# Altium PCB LimeSDR-QPCIe_1v2.PcbDoc (part 3 of 21)
Units mm, origin at the board's own origin, x right, y up, seen from the top; angles counter-clockwise.
Board outline 190 x 111.15 mm, 14 copper layers (Top, L2, L3, L4, L5, L6, L7, L8, L9, L10, L11, L12, L13, Bottom), stack 1.907 mm thick; 2014 components, 1408 nets, 9111 pads, 4171 vias.
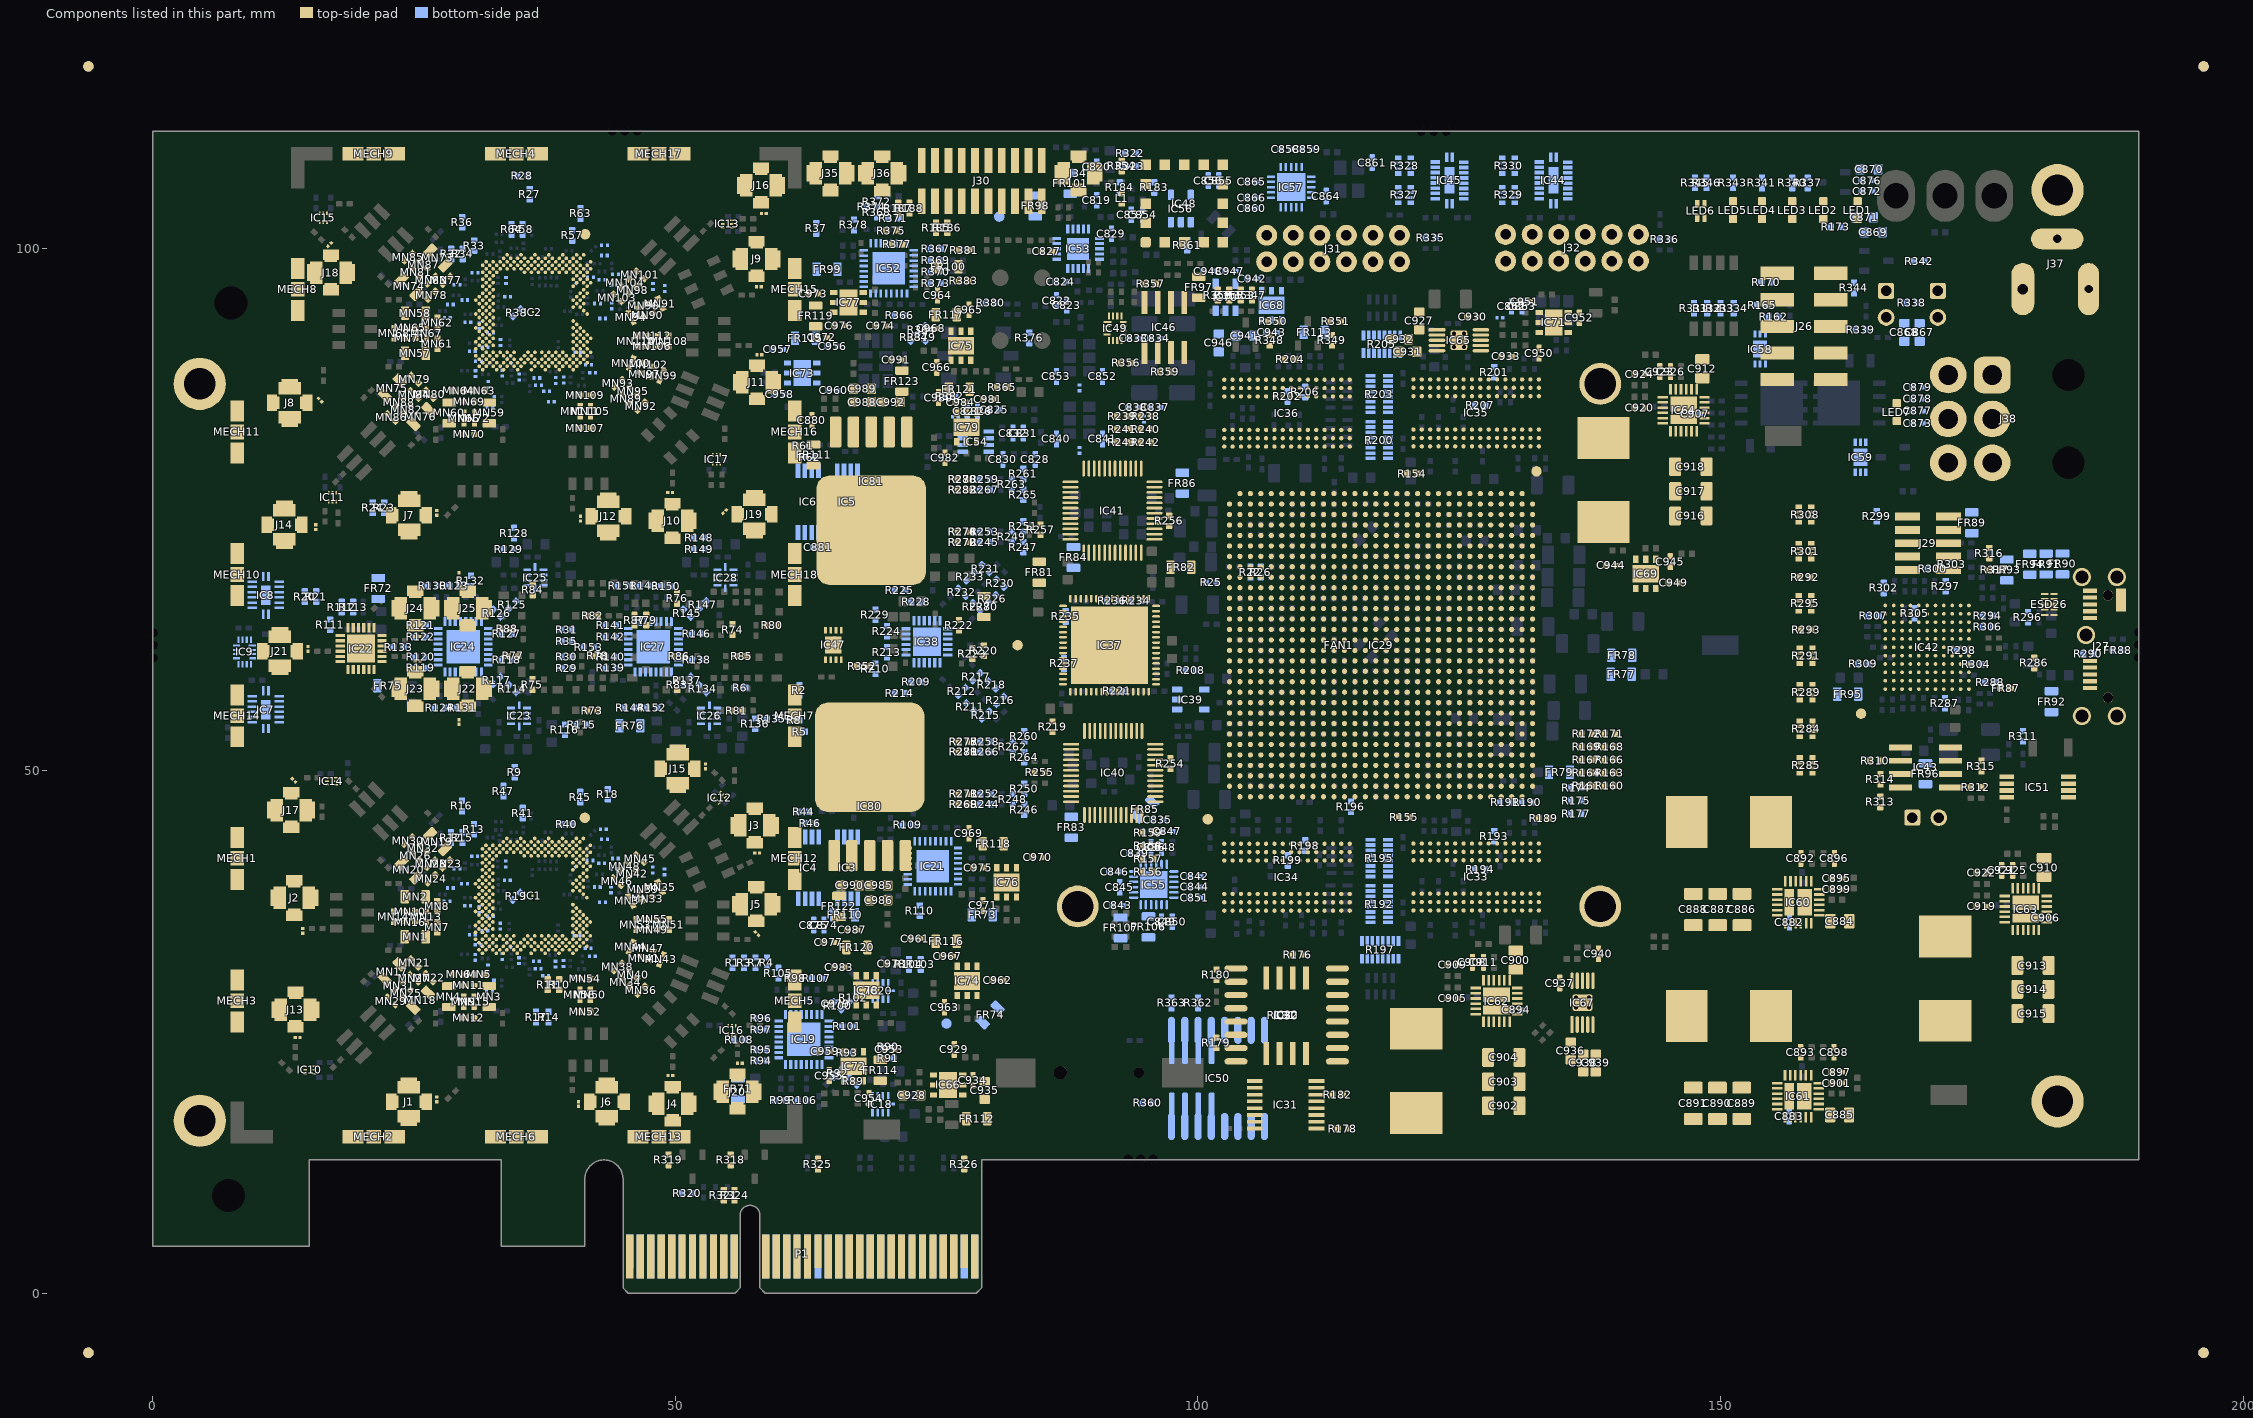
[diagram p15: the components of this part, seen from the top]

## Components (designator, comment, footprint, x,y, rotation, side; value= is the part's Value field where it differs from the comment) (continued)
C819 "1nF, 50V" CAP0402#1 90.325,104.575 r270 bottom
C820 "1nF, 50V" CAP0402#1 90.325,107.775 r270 bottom
C821 "1uF, 10V" CAP0402#1 77.925,84.375 r270 bottom
C822 "22pF, 50V" CAP0402#1 86.475,94.975 r270 bottom
C823 "470nF, 16V" CAP0402#1 87.45,94.525 r90 bottom
C824 "68pF, 16V" CAP0402#1 86.875,96.775 r0 bottom
C825 "100nF, 16V" CAP0402#1 80.5,84.525 r0 bottom
C826 "100pF, 50V" CAP0402#1 78.925,84.375 r90 bottom
C827 "220pF, 50V" CAP0402#2 85.55,99.675 r180 top
C828 "100nF, 16V" CAP0402#1 84.45,79.775 r90 bottom
C829 "10pF, 25V" CAP0402#1 91.725,101.375 r270 bottom
C830 "1nF, 50V" CAP0402#1 81.35,79.775 r270 bottom
C831 "1uF, 10V" CAP0402#1 83.3,82.3 r270 bottom
C832 "100nF, 16V" CAP0402#1 82.325,82.3 r90 bottom
C833 "2.2uF, 16V" CAP0402#1 93.85,91.35 r0 bottom
C834 "100nF, 16V" CAP0402#1 95.95,91.35 r0 bottom
C835 "100nF, 16V" CAP0402#1 96.175,45.3 r0 bottom
C836 "100nF, 16V" CAP0402#1 95.525,42.65 r90 bottom
C837 "2.2uF, 16V" CAP0402#1 95.924,84.751 r180 bottom
C838 "100nF, 16V" CAP0402#1 93.824,84.751 r180 bottom
C839 "100nF, 16V" CAP0402#1 93.975,42.1 r0 bottom
C840 "100nF, 16V" CAP0402#1 86.474,81.735 r270 bottom
C841 "2.2uF, 16V" CAP0402#1 90.876,81.735 r90 bottom
C842 "2.2uF, 16V" CAP0402#1 99.725,39.875 r180 bottom
C843 "100nF, 16V" CAP0402#1 92.325,37.1 r0 bottom
C844 "100pF, 50V" CAP0402#1 99.725,38.875 r180 bottom
C845 "100pF, 50V" CAP0402#1 92.525,38.85 r270 bottom
C846 "100pF, 50V" CAP0402#1 92.025,40.325 r0 bottom
C847 "2.2uF, 16V" CAP0402#1 97.075,44.175 r0 bottom
C848 "100nF, 16V" CAP0402#1 96.525,42.65 r270 bottom
C849 "100pF, 50V" CAP0402#1 96.525,35.55 r90 bottom
C850 "100pF, 50V" CAP0402#1 97.55,35.55 r90 bottom
C851 "100pF, 50V" CAP0402#1 99.725,37.85 r180 bottom
C852 "100nF, 16V" CAP0402#1 90.876,87.71 r270 bottom
C853 "2.2uF, 16V" CAP0402#1 86.474,87.71 r90 bottom
C854 "100nF, 16V" CAP0402#1 94.725,103.175 r90 bottom
C855 "100nF, 16V" CAP0402#1 102.006,106.453 r270 bottom
C856 "100pF, 50V" CAP0402#1 101,106.45 r90 bottom
C857 "100nF, 16V" CAP0402#1 93.625,103.175 r90 bottom
C858 "100nF, 16V" CAP0402#1 108.4,109.45 r180 bottom
C859 "100nF, 16V" CAP0402#1 110.425,109.45 r0 bottom
C860 "100nF, 16V" CAP0402#1 105.175,103.825 r180 bottom
C861 "10pF, 25V" CAP0402#1 116.675,108.175 r270 bottom
C862 "100nF, 16V" CAP0402#1 130.011,94.426 r90 bottom
C863 "2.2uF, 16V" CAP0402#1 131.011,94.426 r270 bottom
C864 "10pF, 25V" CAP0402#1 112.275,104.975 r90 bottom
C865 "100nF, 16V" CAP0402#1 105.175,106.325 r180 bottom
C866 "100nF, 16V" CAP0402#1 105.175,104.825 r180 bottom
C867 "10uF, 25V" CAP0603#1 169.05,91.925 r90 bottom
C868 "10uF, 25V" CAP0603#1 167.6,91.925 r90 bottom
C869 "10uF, 25V" CAP0603#1 164.625,101.525 r0 bottom
C870 "10uF, 25V" CAP0603#1 164.225,107.55 r0 bottom
C871 "10uF, 25V" CAP0603#1 163.775,102.95 r0 bottom
C872 "22nF, 50V" CAP0402#1 164.025,105.45 r180 bottom
C873 "22nF, 50V" CAP0402#1 168.875,83.255 r0 bottom
C874 "2.2uF, 16V" CAP0402#1 64.225,35.225 r90 bottom
C875 "100nF, 16V" CAP0402#1 63.25,35.225 r270 bottom
C876 "22nF, 50V" CAP0402#1 164.025,106.45 r180 bottom
C877 "22nF, 50V" CAP0402#1 168.875,84.408 r0 bottom
C878 "22nF, 50V" CAP0402#1 168.875,85.555 r0 bottom
C879 "22nF, 50V" CAP0402#1 168.875,86.702 r0 bottom
C880 "2.2uF, 16V" CAP0402#2 63.075,83.525 r270 top
C881 "100nF, 16V" CAP0402#1 63.675,71.35 r180 bottom
C882 "100nF, 16V" CAP0402#1 156.6,35.5 r90 bottom
C883 "100nF, 16V" CAP0402#1 156.575,16.95 r90 bottom
C884 "10uF, 25V" CAP0805 161.425,35.6 r180 top
C885 "10uF, 25V" CAP0805 161.4,17.05 r180 top
C886 "220uF, 4V" CAP1206#2 152.055,36.711 r90 top
C887 "220uF, 4V" CAP1206#2 149.735,36.711 r90 top
C888 "220uF, 4V" CAP1206#2 147.4,36.711 r90 top
C889 "220uF, 4V" CAP1206#2 152.03,18.161 r90 top
C890 "220uF, 4V" CAP1206#2 149.71,18.161 r90 top
C891 "220uF, 4V" CAP1206#2 147.4,18.161 r90 top
C892 "1uF, 10V" CAP0402#2 157.7,41.6 r90 top
C893 "1uF, 10V" CAP0402#2 157.675,23.05 r90 top
C894 "100nF, 16V" CAP0402#1 130.475,27.1 r180 bottom
C895 "10pF, 25V" CAP0402#2 161.15,39.7 r0 top
C896 "1200pF, 50V" CAP0402#2 160.9,41.6 r270 top
C897 "68pF, 25V" CAP0402#2 161.125,21.15 r0 top
C898 "1500pF, 50V" CAP0402#2 160.875,23.05 r270 top
C899 "22nF, 50V" CAP0402#2 161.15,38.65 r0 top
C900 "10uF, 25V" CAP0805 130.425,31.875 r270 top
C901 "22nF, 50V" CAP0402#2 161.125,20.1 r0 top
C902 "100uF, 6.3V" CAP1206#2 129.264,17.925 r180 top
C903 "100uF, 6.3V" CAP1206#2 129.264,20.235 r180 top
C904 "100uF, 6.3V" CAP1206#2 129.264,22.555 r180 top
C905 "1uF, 10V" CAP0402#2 124.375,28.2 r180 top
C906 "100nF, 16V" CAP0402#1 181.113,35.9 r180 bottom
C907 "100nF, 16V" CAP0402#1 147.575,84.15 r180 bottom
C908 "4.7pF, 50V" CAP0402#2 126.275,31.65 r90 top
C909 "1200pF, 50V" CAP0402#2 124.375,31.407 r0 top
C910 "10uF, 25V" CAP0805 180.963,40.725 r270 top
C911 "22nF, 50V" CAP0402#2 127.325,31.65 r90 top
C912 "10uF, 25V" CAP0805 148.275,88.45 r270 top
C913 "100uF, 6.3V" CAP1206#2 179.9,31.35 r180 top
C914 "100uF, 6.3V" CAP1206#2 179.9,29.07 r180 top
C915 "100uF, 6.3V" CAP1206#2 179.9,26.75 r180 top
C916 "100uF, 6.3V" CAP1206#2 147.164,74.37 r180 top
C917 "100uF, 6.3V" CAP1206#2 147.175,76.725 r180 top
C918 "100uF, 6.3V" CAP1206#2 147.164,79.075 r180 top
C919 "1uF, 10V" CAP0402#2 175.013,37 r180 top
C920 "1uF, 10V" CAP0402#2 142.275,84.725 r180 top
C921 "4.7pF, 50V" CAP0402#2 176.913,40.45 r90 top
C922 "1200pF, 50V" CAP0402#2 175.013,40.207 r0 top
C923 "2.2pF" CAP0402#2 144.2,88.175 r90 top
C924 "1200pF, 50V" CAP0402#2 142.275,87.932 r0 top
C925 "22nF, 50V" CAP0402#2 177.963,40.45 r90 top
C926 "100nF, 16V" CAP0402#2 145.225,88.175 r270 top
C927 "10uF, 6.3V" CAP0603#2 121.175,93.025 r270 top
C928 "10uF, 16V" CAP0603#2 72.625,18.95 r0 top
C929 "4.7uF, 6.3V" CAP0402#2 76.7,23.325 r270 top
C930 "1uF, 10V" CAP0402#2 126.277,93.412 r0 top
C931 "10uF, 6.3V" CAP0603#2 120.1,90.075 r0 top
C932 "10uF, 6.3V" CAP0603#2 119.3,91.275 r0 top
C933 "100nF, 16V" CAP0402#2 129.525,89.625 r0 top
C934 "100pF, 50V" CAP0402#2 78.475,20.375 r90 top
C935 "10uF, 16V" CAP0603#2 79.6,19.4 r270 top
C936 "10uF, 6.3V" CAP0603#2 135.675,23.175 r90 top
C937 "1uF, 10V" CAP0402#2 134.625,29.675 r90 top
C938 "10uF, 6.3V" CAP0603#2 136.875,22.025 r90 top
C939 "10uF, 6.3V" CAP0603#2 138.075,22.025 r90 top
C940 "100nF, 16V" CAP0402#2 138.325,32.475 r90 top
C941 "10uF, 16V" CAP0603#1 104.5,91.6 r0 bottom
C942 "4.7uF, 6.3V" CAP0402#1 105.2,97.075 r0 bottom
C943 "100pF, 50V" CAP0402#1 107.05,91.925 r180 bottom
C944 "4.7uF, 6.3V" CAP0402#2 139.575,69.625 r0 top
C945 "4.7uF, 6.3V" CAP0402#2 145.2,70 r90 top
C946 "10uF, 16V" CAP0603#1 102,90.925 r90 bottom
C947 "4.7uF, 6.3V" CAP0402#1 103.1,97.8 r0 bottom
C948 "470pF, 50V" CAP0402#1 101,97.8 r180 bottom
C949 "100pF, 50V" CAP0402#2 145.525,67.95 r180 top
C950 "4.7uF, 6.3V" CAP0402#2 132.65,89.95 r90 top
C951 "4.7uF, 6.3V" CAP0402#2 131.275,94.875 r0 top
C952 "100pF, 50V" CAP0402#2 136.5,93.325 r90 top
C953 "2.2uF, 16V" CAP0402#2 70.475,23.35 r180 top
C954 "4.7uF, 6.3V" CAP0402#2 68.525,18.65 r90 top
C955 "4.7uF, 6.3V" CAP0402#2 64.725,20.825 r270 top
C956 "2.2uF, 16V" CAP0402#1 65.075,90.6 r180 bottom
C957 "4.7uF, 6.3V" CAP0402#1 59.8,90.3 r0 bottom
C958 "4.7uF, 6.3V" CAP0402#1 60,86 r0 bottom
C959 "100pF, 50V" CAP0402#2 64.325,23.125 r0 top
C960 "100pF, 50V" CAP0402#1 65.175,86.375 r180 bottom
C961 "2.2uF, 16V" CAP0402#2 72.95,33.925 r0 top
C962 "4.7uF, 6.3V" CAP0402#2 80.875,29.95 r180 top
C963 "4.7uF, 6.3V" CAP0402#2 75.766,27.35 r90 top
C964 "2.2uF, 16V" CAP0402#2 75.1,95.475 r270 top
C965 "4.7uF, 6.3V" CAP0402#2 78.1,94.1 r270 top
C966 "4.7uF, 6.3V" CAP0402#2 75.025,88.575 r90 top
C967 "100pF, 50V" CAP0402#2 76.05,32.25 r0 top
C968 "100pF, 50V" CAP0402#2 74.5,92.3 r0 top
C969 "1uF, 10V" CAP0402#2 78.1,44 r270 top
C970 "4.7uF, 6.3V" CAP0402#2 84.7,41.7 r180 top
C971 "4.7uF, 6.3V" CAP0402#2 79.45,37.1 r90 top
C972 "1uF, 10V" CAP0402#2 64,91.45 r180 top
C973 "4.7uF, 6.3V" CAP0402#2 63.2,95.625 r0 top
C974 "4.7uF, 6.3V" CAP0402#2 69.675,92.55 r180 top
C975 "100pF, 50V" CAP0402#2 78.975,40.7 r0 top
C976 "100pF, 50V" CAP0402#2 65.7,92.575 r180 top
C977 "2.2uF, 16V" CAP0402#2 64.7,33.575 r0 top
C978 "4.7uF, 6.3V" CAP0402#2 70.725,31.5 r180 top
C979 "4.7uF, 6.3V" CAP0402#2 65.353,27.716 r0 top
C980 "2.2uF, 16V" CAP0402#4 142.919,39.534 r180 top
C981 "4.7uF, 6.3V" CAP0402#2 79.95,85.525 r180 top
C982 "4.7uF, 6.3V" CAP0402#2 75.812,79.925 r90 top
C983 "100pF, 50V" CAP0402#2 65.7,31.2 r0 top
C984 "100pF, 50V" CAP0402#2 77.3,85.25 r180 top
C985 "22uF, 10V" CAP0603#2 69.464,39.01 r0 top
C986 "22uF, 10V" CAP0603#2 69.461,37.611 r0 top
C987 "2.2uF, 16V" CAP0402#2 66.939,34.76 r180 top
C988 "22uF, 10V" CAP0603#2 67.886,85.265 r180 top
C989 "22uF, 10V" CAP0603#2 67.895,86.525 r180 top
C990 "10uF, 16V" CAP0603#2 66.714,39.01 r180 top
C991 "2.2uF, 16V" CAP0402#2 71.15,89.3 r0 top
C992 "10uF, 16V" CAP0603#2 70.636,85.265 r0 top
ESD1 "ESD8472" ESD8472_X3DFN2 27.174,18.541 r90 top
ESD2 "ESD8472" ESD8472_X3DFN2 14.359,34.666 r270 top
ESD3 "ESD8472" ESD8472_X3DFN2 57.825,42.1 r0 top
ESD4 "ESD8472" ESD8472_X3DFN2 49.525,20.825 r180 top
ESD5 "ESD8472" ESD8472_X3DFN2 57.8,34.4 r315 top
ESD6 "ESD8472" ESD8472_X3DFN2 40.75,18.1 r270 top
ESD7 "ESD8472" ESD8472_X3DFN2 27.175,74.653 r90 top
ESD8 "ESD8472" ESD8472_X3DFN2 16.025,85.45 r315 top
ESD9 "ESD8472" ESD8472_X3DFN2 58,96.3 r0 top
ESD10 "ESD8472" ESD8472_X3DFN2 49.5,76.6 r180 top
ESD11 "ESD8472" ESD8472_X3DFN2 58.041,89.787 r0 top
ESD12 "ESD8472" ESD8472_X3DFN2 40.922,74.103 r270 top
ESD13 "ESD8472" ESD8472_X3DFN2 13.875,24.45 r0 top
ESD14 "ESD8472" ESD8472_X3DFN2 15.6,73.3 r270 top
ESD15 "ESD8472" ESD8472_X3DFN2 52.875,50.4 r90 top
ESD16 "ESD8472" ESD8472_X3DFN2 58.475,103.3 r0 top
ESD17 "ESD8472" ESD8472_X3DFN2 13.5,49.075 r135 top
ESD18 "ESD8472" ESD8472_X3DFN2 16.925,100.325 r45 top
ESD19 "ESD8472" ESD8472_X3DFN2 54.725,74.775 r225 top
ESD20 "ESD8472" ESD8472_X3DFN2 56.175,22 r0 top
ESD21 "ESD8472" ESD8472_X3DFN2 29.3,54.65 r270 top
ESD22 "ESD8472" ESD8472_X3DFN2 25.35,60.475 r0 top
ESD23 "ESD8472" ESD8472_X3DFN2 25.35,62.837 r0 top
ESD24 "ESD8472" ESD8472_X3DFN2 29.3,68.7 r90 top
ESD25 "ESD8472" ESD8472_X3DFN2 14.875,61.65 r90 top
ESD26 "SP3010-04UTG" SP3010-04UTG 181.463,65.9 r90 top
F1 "Fiducial" FIDUCIAL -6.15,-5.7 r0 top
F2 "Fiducial" Fiducial 196.225,-5.7 r0 top
F3 "Fiducial" FIDUCIAL 196.225,117.375 r0 top
F4 "Fiducial" FIDUCIAL -6.15,117.375 r0 top
F5 "Fiducial" FIDUCIAL -6.15,-5.7 r0 bottom
F6 "Fiducial" FIDUCIAL 196.225,117.375 r0 bottom
F7 "Fiducial" FIDUCIAL -6.15,117.375 r0 bottom
F8 "Fiducial" FIDUCIAL 196.225,-5.7 r0 bottom
FAN1 "12V DC FAN" FAN_60mm_v3 113.5,62 r0 top locked
FL1 "Fiducial" FIDUCIAL_LOCAL 41.35,45.475 r0 top
FL2 "Fiducial" FIDUCIAL_LOCAL 41.377,101.312 r0 top
FL3 "Fiducial" FIDUCIAL_LOCAL 132.4,78.625 r90 top
FL4 "Fiducial" FIDUCIAL_LOCAL 100.95,45.35 r0 top
FL5 "Fiducial" FIDUCIAL_LOCAL 82.75,62 r0 top
FL6 "Fiducial" FIDUCIAL_LOCAL 163.45,55.45 r0 top
FL7 "Fiducial" Fiducial_local 75.95,25.8 r180 bottom
FL8 "Fiducial" Fiducial_local 65.225,62.325 r180 bottom
FL9 "Fiducial" Fiducial_local 81,103 r180 bottom
FR1 "Ferrite" RES0201 32.085,31.11 r270 bottom
FR2 "Ferrite" RES0201 35.043,31.817 r90 bottom
FR3 "Ferrite" RES0201 40.43,30.265 r0 bottom
FR4 "Ferrite" RES0201 43.03,37.415 r0 bottom
FR5 "Ferrite" RES0201 43.116,44.403 r0 bottom
FR6 "Ferrite" RES0201 28.157,37.491 r180 bottom
FR7 "Ferrite" RES0201 27.321,36.55 r90 bottom
FR8 "Ferrite" RES0201 23.995,40.6 r180 bottom
FR9 "Ferrite" RES0201 41.85,41.4 r0 bottom
FR10 "Ferrite" RES0201 32.662,29.661 r90 bottom
FR11 "Ferrite" RES0201 48.962,40.321 r270 bottom
FR12 "Ferrite" RES0201 36.885,31.035 r180 bottom
FR13 "Ferrite" RES0201 30.805,41.79 r0 bottom
FR14 "Ferrite" RES0201 33.78,41.065 r270 bottom
FR15 "Ferrite" RES0201 30.13,37.065 r180 bottom
FR16 "Ferrite" RES0201 31.143,33.342 r0 bottom
FR17 "Ferrite" RES0201 32.298,36.065 r0 bottom
FR18 "Ferrite" RES0201 36.7,31.75 r180 bottom
FR19 "Ferrite" RES0201 42.067,32.245 r180 bottom
FR20 "Ferrite" RES0201 41.67,33 r180 bottom
FR21 "Ferrite" RES0201 42.535,38.86 r0 bottom
FR22 "Ferrite" RES0201 42.955,41.125 r0 bottom
FR23 "Ferrite" RES0201 44.135,40.59 r0 bottom
FR24 "Ferrite" RES0201 40.68,40.99 r45 bottom
FR25 "Ferrite" RES0201 28.48,38.765 r180 bottom
FR26 "Ferrite" RES0201 31.23,36.715 r270 bottom
FR27 "Ferrite" RES0201 30.58,34.29 r180 bottom
FR28 "Ferrite" RES0201 37.605,30.375 r0 bottom
FR29 "Ferrite" RES0201 38.255,29.675 r180 bottom
FR30 "Ferrite" RES0201 46.218,38.178 r90 bottom
FR31 "Ferrite" RES0201 47.837,40.491 r90 bottom
FR32 "Ferrite" RES0201 38.535,31.485 r270 bottom
FR33 "Ferrite" RES0201 39.305,31.54 r270 bottom
FR34 "Ferrite" RES0201 40.61,34.19 r0 bottom
FR35 "Ferrite" RES0201 29.83,39.19 r180 bottom
FR36 "Ferrite" RES0201 32.112,86.947 r270 bottom
FR37 "Ferrite" RES0201 35.07,87.654 r90 bottom
FR38 "Ferrite" RES0201 40.457,86.077 r0 bottom
FR39 "Ferrite" RES0201 43.057,93.252 r0 bottom
FR40 "Ferrite" RES0201 43.218,100.253 r0 bottom
FR41 "Ferrite" RES0201 28.183,93.328 r180 bottom
FR42 "Ferrite" RES0201 27.352,92.358 r90 bottom
FR43 "Ferrite" RES0201 24.034,96.437 r180 bottom
FR44 "Ferrite" RES0201 41.882,97.202 r0 bottom
FR45 "Ferrite" RES0201 32.692,85.502 r90 bottom
FR46 "Ferrite" RES0201 48.988,96.133 r270 bottom
FR47 "Ferrite" RES0201 36.912,86.872 r180 bottom
FR48 "Ferrite" RES0201 30.832,97.627 r0 bottom
FR49 "Ferrite" RES0201 33.807,96.902 r270 bottom
FR50 "Ferrite" RES0201 30.157,92.902 r180 bottom
FR51 "Ferrite" RES0201 31.17,89.179 r0 bottom
FR52 "Ferrite" RES0201 32.325,91.902 r0 bottom
FR53 "Ferrite" RES0201 36.752,87.567 r180 bottom
FR54 "Ferrite" RES0201 42.093,88.082 r180 bottom
FR55 "Ferrite" RES0201 41.697,88.837 r180 bottom
FR56 "Ferrite" RES0201 42.562,94.697 r0 bottom
FR57 "Ferrite" RES0201 44.137,96.427 r0 bottom
FR58 "Ferrite" RES0201 42.982,96.977 r0 bottom
FR59 "Ferrite" RES0201 40.707,96.827 r45 bottom
FR60 "Ferrite" RES0201 31.257,92.552 r270 bottom
FR61 "Ferrite" RES0201 28.482,94.602 r180 bottom
FR62 "Ferrite" RES0201 30.582,90.127 r180 bottom
FR63 "Ferrite" RES0201 37.697,86.3 r0 bottom
FR64 "Ferrite" RES0201 38.145,85.306 r180 bottom
FR65 "Ferrite" RES0201 46.245,94.015 r90 bottom
FR66 "Ferrite" RES0201 47.863,96.328 r90 bottom
FR67 "Ferrite" RES0201 38.562,87.322 r270 bottom
FR68 "Ferrite" RES0201 39.332,87.377 r270 bottom
FR69 "Ferrite" RES0201 40.677,90.027 r0 bottom
FR70 "Ferrite" RES0201 29.857,95.027 r180 bottom
FR71 "600R, 2A" RES0805#1 56,19.55 r90 bottom
FR72 "600R, 2A" RES0805#1 21.575,67.425 r270 bottom
FR73 "600R, 2A" RES0805#1 79.375,36.2 r180 bottom
FR74 "600R, 2A" RES0805#1 80.125,26.625 r45 bottom
FR75 "600R, 2A" RES0805#1 22.475,58.114 r0 bottom
FR76 "600R, 2A" RES0805#1 45.65,54.275 r0 bottom
FR77 "600R, 2A" RES0805#1 140.5,59.225 r0 bottom
FR78 "600R, 2A" RES0805#1 140.55,61.025 r0 bottom
FR79 "600R, 2A" RES0805#1 134.6,49.85 r180 bottom
FR80 "600R, 2A" RES0805#2 79.525,65.7 r90 top
FR81 "600R, 2A" RES0805#2 84.825,68.975 r270 top
FR82 "600R, 2A" RES0805#2 98.375,69.45 r180 top
FR83 "600R, 2A" RES0805#1 87.9,44.575 r90 bottom
FR84 "600R, 2A" RES0805#1 88.1,70.4 r90 bottom
FR85 "600R, 2A" RES0805#1 94.918,46.293 r45 bottom
FR86 "600R, 2A" RES0805#1 98.525,77.5 r270 bottom
FR87 "220R, 0.9A" RES0402#1 177.275,57.9 r180 top
FR88 "220R, 0.9A" RES0402#2 188.025,61.525 r0 bottom
FR89 "600R, 2A" RES0805#1 174.05,73.725 r270 bottom
FR90 "600R, 2A" RES0805#1 182.725,69.775 r90 bottom
FR91 "600R, 2A" RES0805#1 181.155,69.761 r90 bottom
FR92 "600R, 2A" RES0805#1 181.675,56.6 r270 bottom
FR93 "600R, 2A" RES0805#1 177.4,69.2 r90 bottom
FR94 "600R, 2A" RES0805#1 179.6,69.75 r90 bottom
FR95 "600R, 2A" RES0805#1 162.175,57.325 r0 bottom
FR96 "600R, 2A" RES0805#1 169.615,49.711 r90 bottom
FR97 "600R, 2A" RES0805#2 100.075,96.25 r90 top
FR98 "600R, 2A" RES0805#1 84.45,104.025 r270 bottom
FR99 "600R, 2A" RES0805#1 64.525,97.975 r0 bottom
FR100 "600R, 2A" RES0805#2 76.1,98.225 r180 top
FR101 "600R, 2A" RES0805#1 87.8,106.2 r270 bottom
FR102 "Ferrite" RES0201 76.8,83.85 r180 bottom
FR103 "Ferrite" RES0201 94.875,90.25 r90 bottom
FR104 "Ferrite" RES0201 94.849,83.651 r90 bottom
FR105 "Ferrite" RES0201 88.675,80.65 r90 bottom
FR106 "600R, 2A" RES0805#1 95.275,35.05 r90 bottom
FR107 "600R, 2A" RES0805#1 92.6,34.95 r90 bottom
FR108 "Ferrite" RES0201 88.675,86.625 r90 bottom
FR109 "Ferrite" RES0201 128.891,93.326 r0 bottom
FR110 "600R, 2A" RES0805#1 66.2,36.2 r180 bottom
FR111 "600R, 2A" RES0805#2 63.225,80.2 r90 top
FR112 "600R, 2A" RES0805#2 78.85,16.7 r180 top
FR113 "600R, 2A" RES0805#1 111.125,91.925 r180 bottom
FR114 "600R, 2A" RES0805#2 69.625,21.325 r270 top
FR115 "600R, 2A" RES0805#1 62.45,91.375 r180 bottom
FR116 "600R, 2A" RES0805#2 75.925,33.675 r0 top
FR117 "600R, 2A" RES0805#2 75.925,93.625 r0 top
FR118 "600R, 2A" RES0805#2 80.411,43.005 r0 top
FR119 "600R, 2A" RES0805#2 63.425,93.5 r90 top
FR120 "600R, 2A" RES0805#2 67.375,33.075 r0 top
FR121 "600R, 2A" RES0805#2 77.175,86.5 r0 top
FR122 "600R, 2A" RES0805#2 65.664,37.01 r90 top
FR123 "600R, 2A" RES0805#2 71.686,87.265 r270 top
IC1 "LMS7002M" LMS7002M_v4 36.375,37.85 r90 top
IC2 "LMS7002M" LMS7002M_v4 36.402,93.687 r90 top locked
IC3 "M24128" 24FC512 66.495,40.7 r90 bottom
IC4 "24FC512" 24FC512 62.75,40.7 r90 bottom
IC5 "M24128" 24FC512 66.465,75.736 r90 bottom
IC6 "24FC512" 24FC512 62.72,75.736 r90 bottom
IC7 "74HC595" 74HC595BQ,115 10.826,55.825 r270 bottom
IC8 "74HC595" 74HC595BQ,115 10.826,66.775 r270 bottom
IC9 "SN74AVC4T774" SN74AVC4T774 8.8,61.35 r270 bottom
IC10 "SKY13323" SKY13323-378LF 15.023,21.363 r0 top
IC11 "SKY13323" SKY13323-378LF 17.2,76.175 r90 top
IC12 "SKY13323" SKY13323-378LF 54.25,47.4 r225 top
IC13 "SKY13323" SKY13323-378LF 54.975,102.3 r180 top
IC14 "SKY13323" SKY13323-378LF 17.107,48.979 r0 top
IC15 "SKY13323" SKY13323-378LF 16.325,102.9 r90 top
IC16 "SKY13323" SKY13323-378LF 55.425,25.175 r90 top
IC17 "SKY13323" SKY13323-378LF 53.95,79.8 r90 top
IC18 "MAX11108AVB" MAX11108AVB+T 69.615,18.078 r0 bottom
IC19 "ADL5519" ADL5519_32LFCSP 62.3,24.275 r270 bottom
IC20 "MAX11108AVB" MAX11108AVB+T 69.625,28.925 r0 bottom
IC21 "LMK00101" LMK00101_WQFN32 74.65,40.85 r0 bottom
IC22 "PE42442" PE42442_24QFN 19.938,61.675 r90 top
IC23 "MAX11108AVB" MAX11108AVB+T 35.047,55.235 r270 bottom
IC24 "ADL5519" ADL5519_32LFCSP 29.7,61.85 r270 bottom
IC25 "MAX11108AVB" MAX11108AVB+T 36.607,68.468 r90 bottom
IC26 "MAX11108AVB" MAX11108AVB+T 53.247,55.235 r270 bottom
IC27 "ADL5519" ADL5519_32LFCSP 47.9,61.85 r270 bottom
IC28 "MAX11108AVB" MAX11108AVB+T 54.807,68.468 r90 bottom
IC29 "5CGXFC7D7F31C8N" ALTR-FBGA896_A-200 117.525,62 r180 top locked
IC30 "W25Q128FVSIG" S25FL164K_WSO8N 108.45,26.55 r90 top
IC31 "TS3A5018PWR" TS3A5018PWR 108.4,18.025 r180 top
IC32 "S25FL128SAGMFI01" SOIC16_WIDE 108.5,26.625 r0 top
IC33 "AS4C128M16D3" AS4C128M16D3 126.625,39.825 r90 top locked
IC34 "AS4C128M16D3" AS4C128M16D3 108.525,39.8 r90 top locked
IC35 "AS4C128M16D3" AS4C128M16D3 126.625,84.225 r90 top
IC36 "AS4C128M16D3" AS4C128M16D3 108.525,84.2 r90 top
IC37 "ADS4246IRGCR" TI-RGC64-7400X7400TP_V 91.55,62 r90 top locked
IC38 "ADA4930-2" ADA4930-2_LFCSP-24 74.075,62.325 r0 bottom
IC39 "SN65LVDS1" SOT23-5 99.319,56.8 r0 bottom
IC40 "DAC5672AIPFB" TI-PFB48_L 91.9,49.775 r90 top
IC41 "DAC5672AIPFB" TI-PFB48_L 91.825,74.875 r90 top locked
IC42 "CYUSB3013" CYUSB3013 169.775,61.8 r270 top locked
IC43 "M25P40" M25P40-VMN6TPB_SO8N 169.625,50.3 r180 top
IC44 "FXLA108" FXLA108 134.025,106.475 r0 bottom
IC45 "FXLA108" FXLA108 124.075,106.475 r0 bottom
IC46 "M25P40" M25P40-VMN6TPB_SO8N 96.79,92.4 r90 top
IC47 "LM75" HWSON8_LM75 65.125,62.025 r90 top locked
IC48 "GPS/GNSS M0578-A3" M10578-A3 98.7,104.25 r90 top
IC49 "SN74AVC4T774" SN74AVC4T774 92.09,92.325 r270 top
IC50 "DS3231S#" DS3231S#_SOIC16_SOIC8 101.925,20.55 r270 bottom
IC51 "M24128" 24FC512 180.35,48.425 r180 top
IC52 "LMK00101" LMK00101_WQFN32 70.425,98.05 r180 bottom
IC53 "ADF4002" ADF4002 88.55,99.925 r0 bottom
IC54 "AD5662" AD5662_SOT23-8 78.739,81.48 r180 bottom
IC55 "LMK00105" LMK00105SQ 95.775,39.1 r180 bottom
IC56 "SN65LVDS1" SOT23-5 98.375,103.775 r90 bottom
IC57 "Si5351C" Si5351C_20QFN 108.925,105.825 r180 bottom
IC58 "LTC4357" LTC4357 153.8,90.33 r90 bottom
IC59 "LTC4357" LTC4357 163.4,79.98 r270 bottom
IC60 "ADP2386" ADP2386 157.45,37.4 r270 top
IC61 "ADP2386" ADP2386 157.425,18.85 r270 top
IC62 "ADP2386" ADP2386 128.575,27.95 r0 top
IC63 "ADP2386" ADP2386 179.213,36.75 r0 top
IC64 "ADP2386" ADP2386 146.475,84.475 r0 top
IC65 "RT9026" MSOP10 122.875,92.175 r0 top
IC66 "LD39100PUR" LD39100PUR 76.1,19.925 r90 top
IC67 "RT9026" MSOP10 135.8,25.7 r90 top
IC68 "LD39100PUR" LD39100PUR 107.05,94.525 r180 bottom
IC69 "LD39100PUR" LD39100PUR 142.85,68.825 r0 top
IC70 "ADP150" SOT23-5 102.65,95.3 r90 bottom
IC71 "LD39100PUR" LD39100PUR 134.05,92.875 r90 top
IC72 "LD39100PUR" LD39100PUR 67.065,21.714 r180 top
IC73 "LD39100PUR" LD39100PUR 62.139,88.04 r270 bottom
IC74 "LD39100PUR" LD39100PUR 77.925,29.875 r180 top
IC75 "LD39100PUR" LD39100PUR 77.325,90.65 r180 top
IC76 "LD39100PUR" LD39100PUR 81.7,39.3 r180 top
IC77 "LD39100PUR" LD39100PUR 66.575,94.8 r270 top
IC78 "LD39100PUR" LD39100PUR 68.275,28.975 r180 top
IC79 "LD39100PUR" LD39100PUR 77.875,82.85 r180 top